# Altium PCB AirScout_PCBV1.1.PcbDoc (part 1 of 2)
Units mm, origin at the board's own origin, x right, y up, seen from the top; angles counter-clockwise.
Board outline 91.25 x 151 mm, 4 copper layers (Top Layer, Signal Layer 1, Signal Layer 2, Bottom Layer), stack 0.603 mm thick; 56 components, 39 nets, 237 pads, 463 vias.
Unrouted connection lines stored in the file: 26.
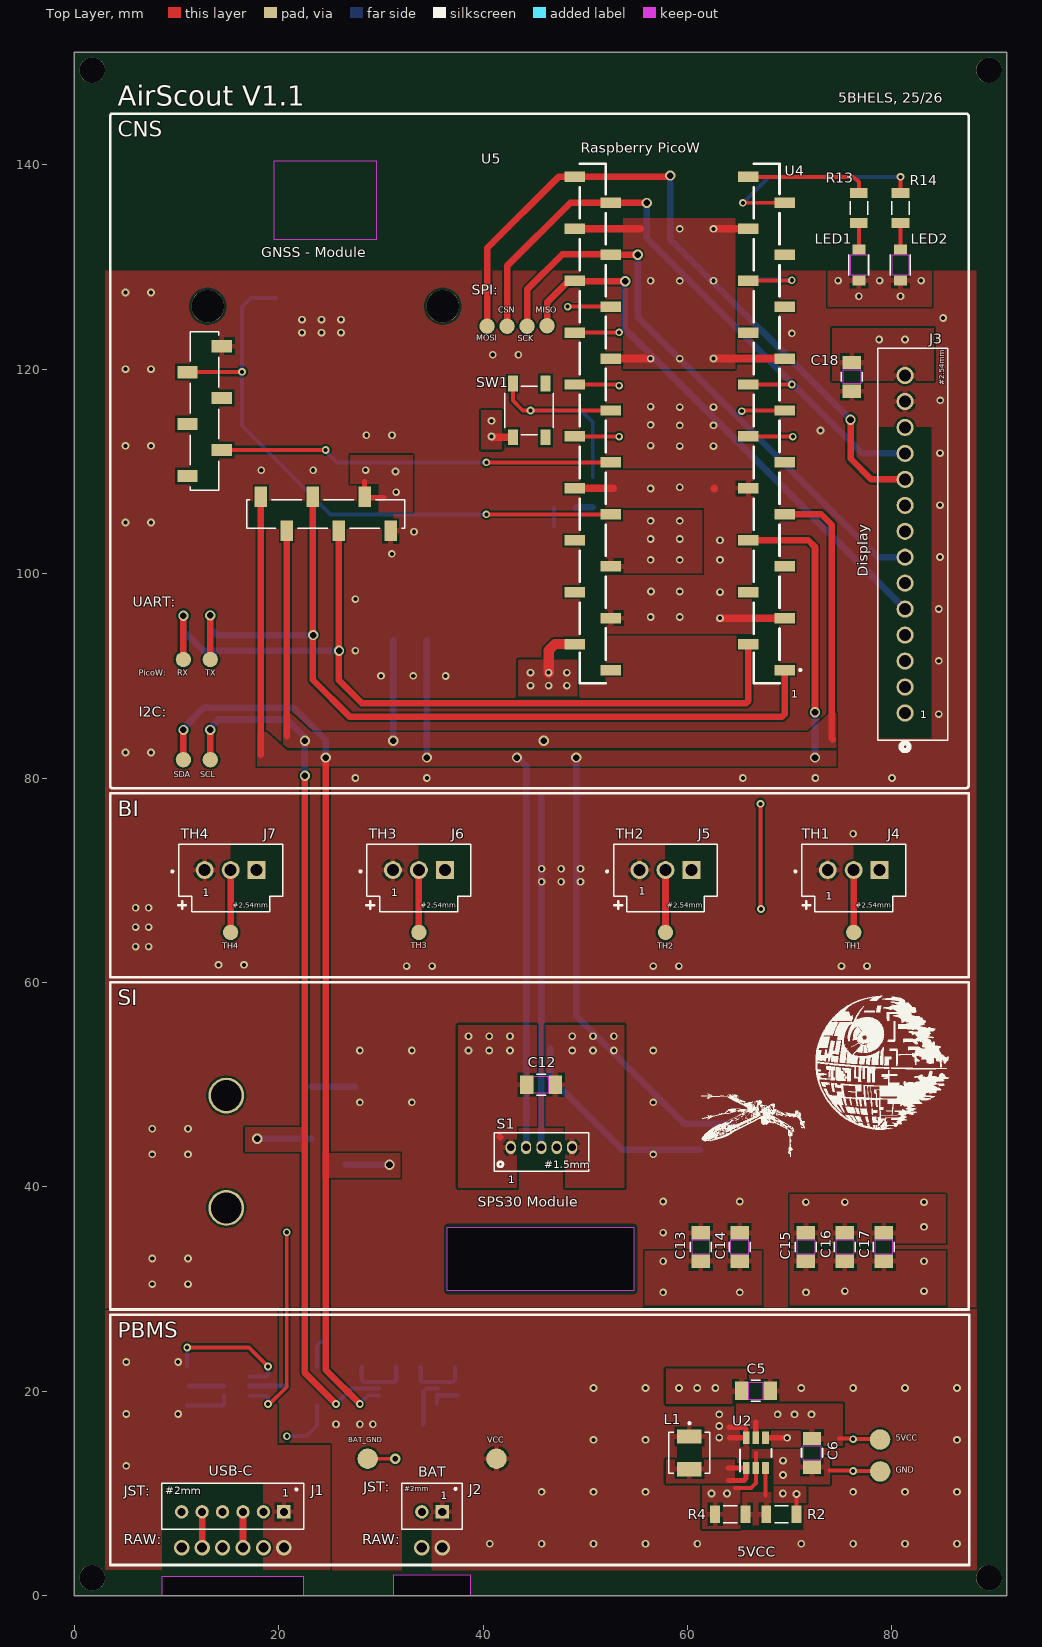
[diagram p0: Top Layer view]
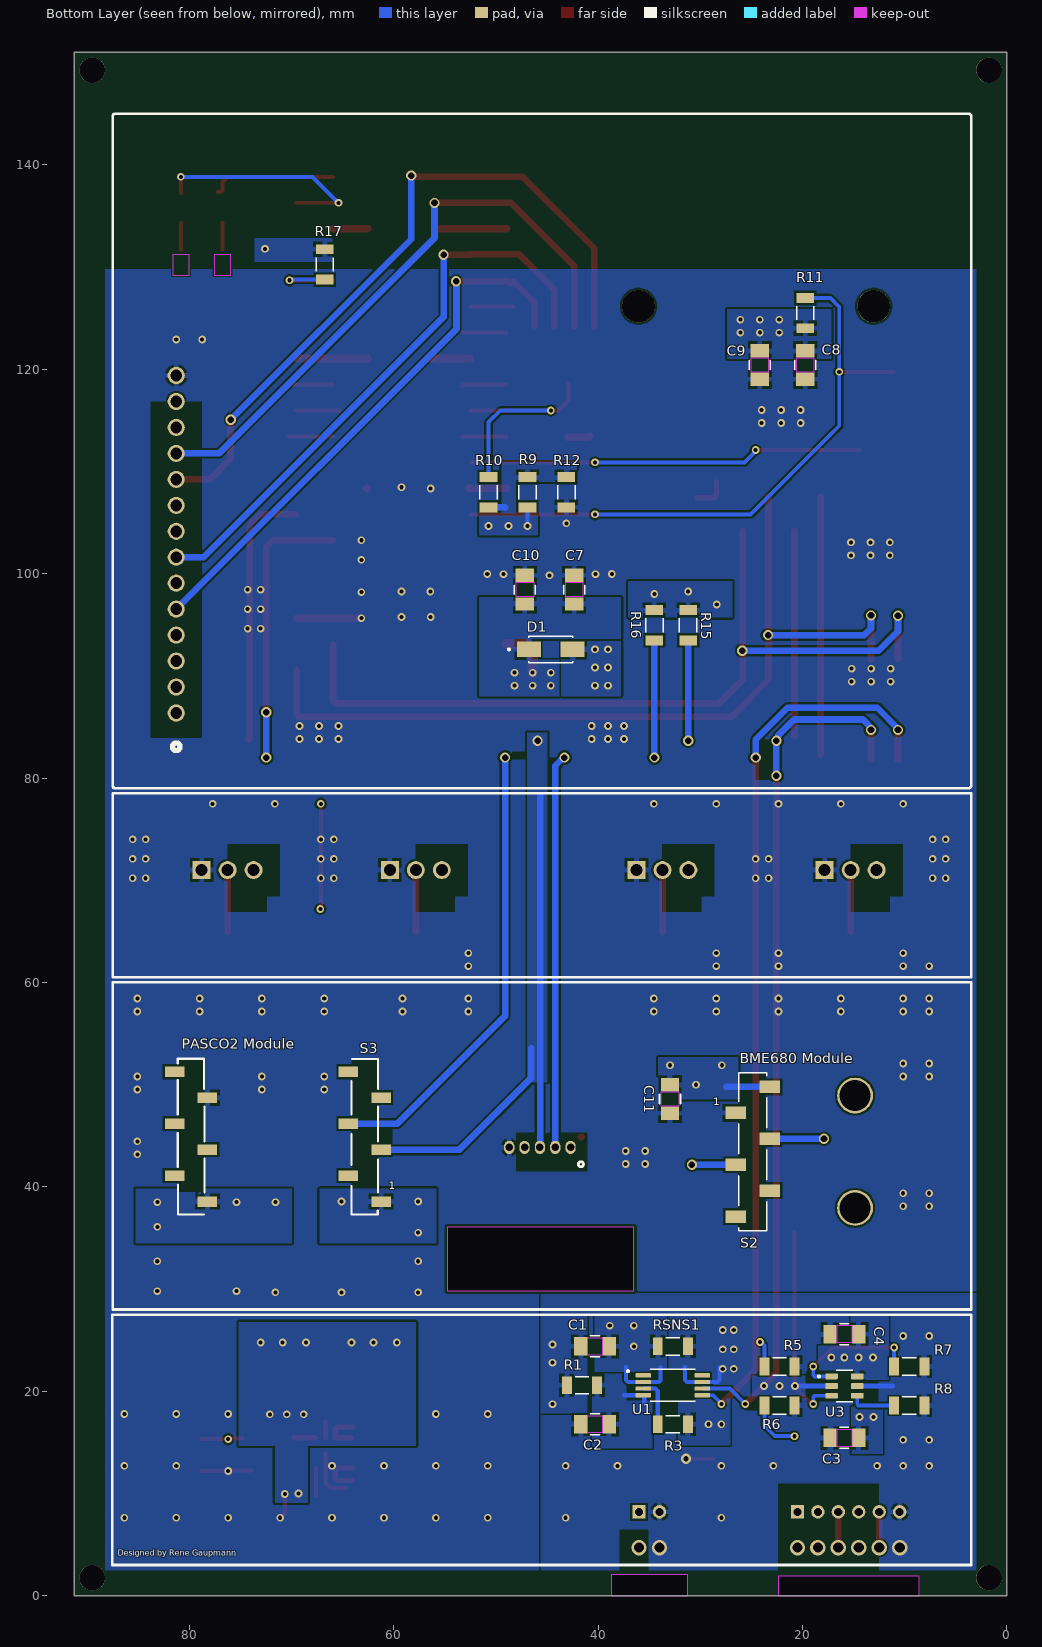
[diagram p1: Bottom Layer view, seen from below]
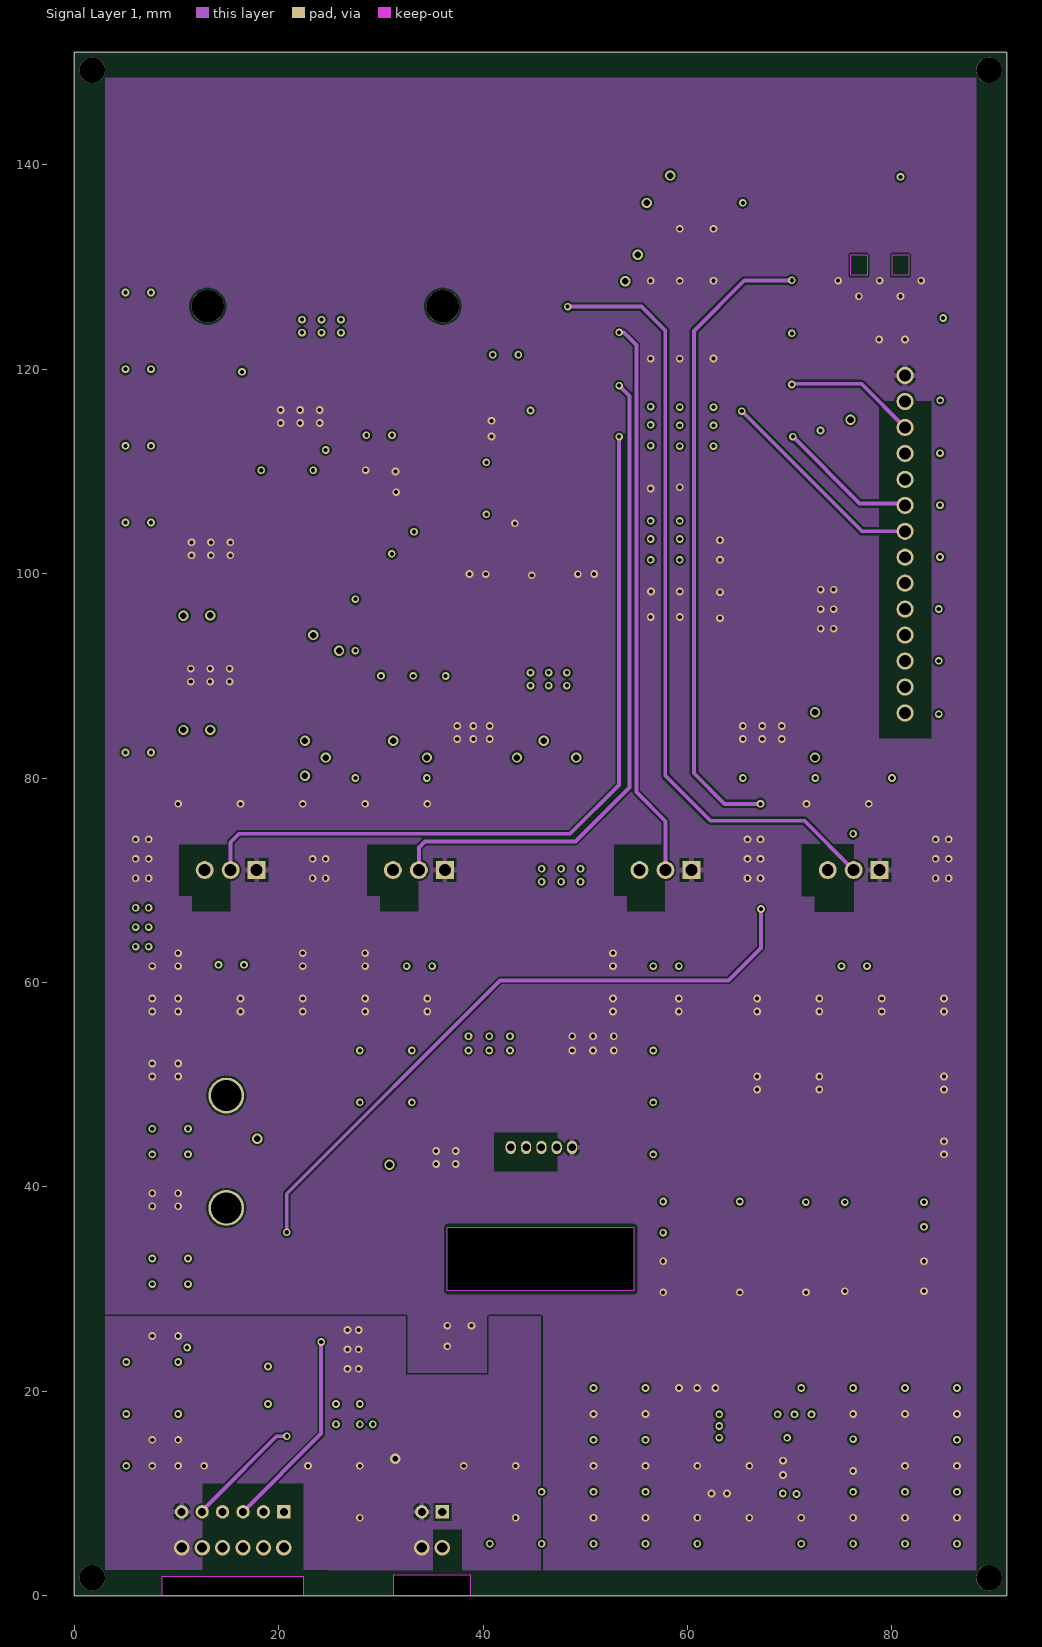
[diagram p2: Signal Layer 1]
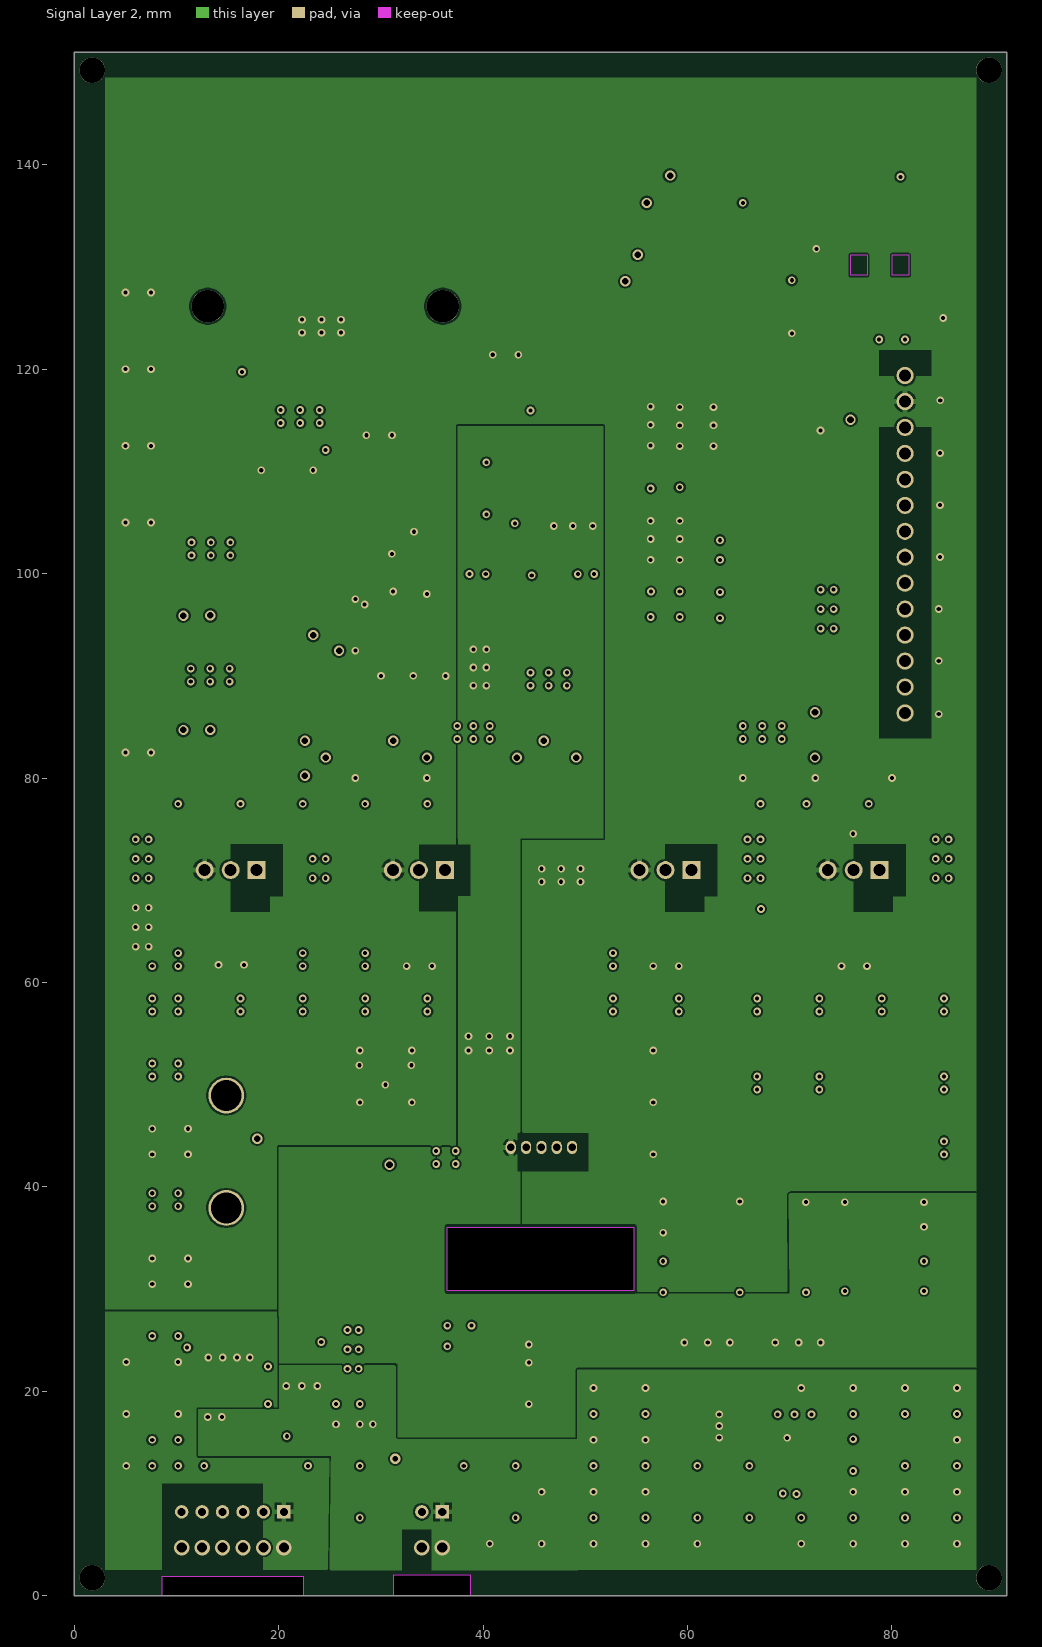
[diagram p3: Signal Layer 2]

## Layer stack, top to bottom
Top Solder: solder mask 0.0102, Solder Resist, Dk 3.5
Top Layer: signal copper 0.0356
Dielectric 2: prepreg 0.0711, PP-006, Dk 4.1
Signal Layer 1: signal copper 0.035
Dielectric 1: dielectric 0.32, FR-4, Dk 4.8
Signal Layer 2: signal copper 0.035
Dielectric 3: prepreg 0.0711, PP-006, Dk 4.1
Bottom Layer: signal copper 0.0356
Bottom Solder: solder mask 0.0102, Solder Resist, Dk 3.5

## Board outline
0,0 0,145 0,151 91.25,151 91.25,150.988 91.25,0
cut-out: 8.6,0 8.6,1.9 22.4,1.9 22.4,0
cut-out: 31.242,0 31.242,2.032 38.714,2.032 38.714,0
cut-out: 36.5,36.062 54.75,36.062 54.75,29.813 36.5,29.813

## Design rules (kind name [scope] priority, off if disabled: settings)
BoardOutlineClearance [All] p1: gap=0.3 ignorepadtopadclearanceinfootprint=FALSE except(0.4: Arc-SplitBarrior Arc-SplitContinuation Track-SplitBarrior Track-SplitContinuation SMDPad-SplitBarrior SMDPad-SplitContinuation THPad-SplitBarrior THPad-SplitContinuation Via-SplitBarrior Via-SplitContinuation Fill-SplitBarrior Fill-SplitContinuation Poly-SplitBarrior Poly-SplitContinuation Region-SplitBarrior Region-SplitContinuation Text-SplitBarrior Text-SplitContinuation)
Clearance "Clearance Different Nets" [All] p1: gap=0.2 ignorepadtopadclearanceinfootprint=FALSE except(0.089: Arc-Arc Arc-Track Arc-SMDPad Track-Track Track-SMDPad; 0.127: SMDPad-SMDPad SMDPad-Via THPad-Via Via-Via; 0.254: Arc-Via Arc-Text Track-Via Track-Text SMDPad-Text THPad-Text Via-Text Fill-Text Poly-Text Region-Text Text-Text; 0.5: THPad-THPad Via-Hole)
Clearance "Clearance Same Nets" [All] p2: gap=0.2 ignorepadtopadclearanceinfootprint=FALSE except(0.089: Arc-Arc Arc-Track Arc-SMDPad Track-Track Track-SMDPad SMDPad-SMDPad; 0.127: SMDPad-Via THPad-Via; 0.254: Arc-Via Arc-Text Track-Via Track-Text SMDPad-Text THPad-Text Via-Via Via-Text Fill-Text Poly-Text Region-Text Text-Text)
Clearance "Clearance Bottom Layer" [OnLayer('Bottom Layer')] p3: gap=0.203 ignorepadtopadclearanceinfootprint=TRUE except(0.254: Arc-Text Track-Text SMDPad-Text THPad-Text Via-Text Fill-Text Poly-Text Region-Text Text-Text)
Clearance "Clearance Top Layer" [OnLayer('Top Layer')] p4: gap=0.203 ignorepadtopadclearanceinfootprint=TRUE except(0.254: Arc-Text Track-Text SMDPad-Text THPad-Text Via-Text Fill-Text Poly-Text Region-Text Text-Text)
HoleSize [All] p1: absolutevalues=TRUE maxlimit=6.3 minlimit=0.2 maxpercent=80.000 minpercent=20.000
MinimumAnnularRing [All] p1: minimumring=0.13
MinimumSolderMaskSliver [All] p1: minsoldermaskwidth=0.1
PolygonConnect PolygonConnect_1 [All] p1: thpad.connectstyle=Relief thpad.reliefconductorwidth=0.508 thpad.reliefentries=4 thpad.polygonreliefangle="90 Angle" thpad.airgapwidth=0.254 smdpad.connectstyle=Relief smdpad.reliefconductorwidth=0.508 smdpad.reliefentries=4 smdpad.polygonreliefangle="90 Angle" smdpad.airgapwidth=0.254 via.connectstyle=Direct via.reliefconductorwidth=0.508 via.reliefentries=4 via.polygonreliefangle="90 Angle" via.airgapwidth=0.254
RoutingCorners [All] p1: cornerstyle=Round minsetback=2.54 maxsetback=2.54
RoutingVias [All] p1: holewidth=0.5 width=1 viastyle="Through Hole" minholewidth=0.2 minwidth=0.35 maxholewidth=1 maxwidth=2
SilkToSilkClearance [All] p1: silktosilkclearance=0.1
SilkToSolderMaskClearance [IsPad] p1: minsilkscreentomaskgap=0.1 clearancetoexposedcopper=TRUE
SolderMaskExpansion [All] p1: expansion=0.102 istentingtop=FALSE
SupplyNets "Schematic Supply Nets_31" [InNet('FB')] p1: voltage=0.000
SupplyNets "Schematic Supply Nets_30" [InNet('CC1')] p2: voltage=0.000
SupplyNets "Schematic Supply Nets_29" [InNet('TCH2')] p3: voltage=0.000
SupplyNets "Schematic Supply Nets_28" [InNet('CHG')] p4: voltage=0.000
SupplyNets "Schematic Supply Nets_27" [InNet('3V3')] p5: voltage=0.000
SupplyNets "Schematic Supply Nets_26" [InNet('LED')] p6: voltage=0.000
SupplyNets "Schematic Supply Nets_25" [InNet('EXTIN')] p7: voltage=0.000
SupplyNets "Schematic Supply Nets_24" [InNet('5VCC_FUEL G.')] p8: voltage=0.000
SupplyNets "Schematic Supply Nets_23" [InNet('SPI/MOSI')] p9: voltage=0.000
SupplyNets "Schematic Supply Nets_22" [InNet('UART/TX')] p10: voltage=0.000
SupplyNets "Schematic Supply Nets_21" [InNet('BAT_GND')] p11: voltage=0.000
SupplyNets "Schematic Supply Nets_20" [InNet('RESET')] p12: voltage=0.000
SupplyNets "Schematic Supply Nets_19" [InNet('TCH3')] p13: voltage=0.000
SupplyNets "Schematic Supply Nets_18" [InNet('3V3EN')] p14: voltage=0.000
SupplyNets "Schematic Supply Nets_17" [InNet('TCH4')] p15: voltage=0.000
SupplyNets "Schematic Supply Nets_16" [InNet('VIN')] p16: voltage=0.000
SupplyNets "Schematic Supply Nets_15" [InNet('RST')] p17: voltage=0.000
SupplyNets "Schematic Supply Nets_14" [InNet('I2C/SCL')] p18: voltage=0.000
SupplyNets "Schematic Supply Nets_13" [InNet('SPI/MISO')] p19: voltage=0.000
SupplyNets "Schematic Supply Nets_12" [InNet('SPI/CSn')] p20: voltage=0.000
SupplyNets "Schematic Supply Nets_11" [InNet('DC')] p21: voltage=0.000
SupplyNets "Schematic Supply Nets_9" [InNet('SPI/SCK')] p22: voltage=0.000
SupplyNets "Schematic Supply Nets_8" [InNet('VCC')] p23: voltage=0.000
SupplyNets "Schematic Supply Nets_7" [InNet('UART/RX')] p24: voltage=0.000
SupplyNets "Schematic Supply Nets_6" [InNet('TCH1')] p25: voltage=0.000
SupplyNets "Schematic Supply Nets_5" [InNet('5VCC')] p26: voltage=0.000
SupplyNets "Schematic Supply Nets_4" [InNet('GND')] p27: voltage=0.000
SupplyNets "Schematic Supply Nets_3" [InNet('VSYS')] p28: voltage=0.000
SupplyNets "Schematic Supply Nets_2" [InNet('VBUS')] p29: voltage=0.000
SupplyNets "Schematic Supply Nets_1" [InNet('I2C/SDA')] p30: voltage=0.000
SupplyNets "Schematic Supply Nets" [InNet('CC2')] p31: voltage=0.000
Width [All] p1: maxlimit=2.54 minlimit=0.089 preferedwidth=0.381
25 further rules are at their usual default settings.

## Components (designator, comment, footprint, x,y, rotation, side; value= is the part's Value field where it differs from the comment)
C1 "CL31B475KBHNFNE" CAPC340180_140N_KEM 40.312,24.392 r180 bottom value=4.7uF
C2 "C1206C104K5RACTU" CAPC340180_140N_KEM 40.312,16.772 r0 bottom value=0.1uF
C3 "C1206C105K3RACTU" CAPC340180_140N_KEM 15.907,15.431 r0 bottom value=1uF
C4 "C1206C105K3RACTU" CAPC340180_140N_KEM 15.907,25.591 r0 bottom value=1uF
C5 "CL31B225KBHNNNE" CAPC340180_140N_KEM 66.675,20.03 r0 top value=2.2uF
C6 "CL31B475KBHNFNE" CAPC340180_140N_KEM 72.175,13.97 r90 top value=4.7uF
C7 "CL31B106KAHNNNE" CAPC340180_140N_KEM 42.344,98.433 r90 bottom value=10uF
C8 "CL31B106KAHNNNE" CAPC340180_140N_KEM 19.738,120.404 r270 bottom value=10uF
C9 "CL31B106KAHNNNE" CAPC340180_140N_KEM 24.183,120.404 r270 bottom value=10uF
C10 "C1206C104K5RACTU" CAPC340180_140N_KEM 47.17,98.433 r90 bottom value=0.1uF
C11 "CL31B106KAHNNNE" CAPC340180_140N_KEM 32.972,48.593 r270 bottom value=10uF
C12 "CL31B106KAHNNNE" CAPC340180_140N_KEM 45.672,49.99 r0 top value=10uF
C13 "CL31B106KAHNNNE" CAPC340180_140N_KEM 61.285,34.115 r270 top value=10uF
C14 "C1206C104K5RACTU" CAPC340180_140N_KEM 65.095,34.115 r270 top value=0.1uF
C15 "CL31B106KAHNNNE" CAPC340180_140N_KEM 71.58,34.115 r270 top value=47uF
C16 "CL31B106KAHNNNE" CAPC340180_140N_KEM 75.39,34.115 r270 top value=10uF
C17 "C1206C104K5RACTU" CAPC340180_140N_KEM 79.2,34.115 r270 top value=0.1uF
C18 "CL31B475KBHNFNE" CAPC340180_140N_KEM 76.073,119.253 r90 top value=4.7uF
D1 "B240A-13-F" DIOM5226X230N 44.63,92.591 r180 bottom
J1 "B6B-PH-K-S" JST_B6B-PH-K-S 15.5,8.75 r0 top
J2 "B02B-PASK-1" JST_B2B-PH-K-S 35,8.75 r0 top
J3 "0705430013" CONN_SDA-70543-XXXX_14_MOL 81.28,86.36 r270 top
J4 "0705430002" MOLEX_70543-0037 76.253,70.993 r180 top locked
J5 "0705430002" MOLEX_70543-0037 57.838,70.993 r180 top
J6 "0705430002" MOLEX_70543-0037 33.708,70.993 r180 top
J7 "0705430002" MOLEX_70543-0037 15.293,70.993 r180 top
L1 "FDSD0420-H-100M=P3" IND_FDSD0420-H-100M=P3 60.175,13.97 r270 top value=10uH
LED1 "LTST-C150GKT" LED_LTST-C150GKT_LTO 76.761,130.183 r270 top
LED2 "LTST-C150KRKT" LED_LTST-C150GKT_LTO 80.825,130.183 r270 top
R1 "CRGCQ1206F470R" RESC3116X65N 41.582,20.582 r180 bottom value=470
R2 "RC1206FR-0710KL" RESC3116X65N 69.175,7.97 r0 top value=10k
R3 "RNCP1206FTD1K00" RESC3116X65N 32.692,16.772 r180 bottom value=1k
R4 "RMCF1206JT56K0" RESC3116X65N 64.175,7.97 r0 top value=56k
R5 "RMCF1206JT5K10" RESC3116X65N 22.257,22.416 r0 bottom value=5k1
R6 "RMCF1206JT5K10" RESC3116X65N 22.257,18.606 r0 bottom value=5k1
R7 "RC1206FR-0710KL" RESC3116X65N 9.557,22.416 r0 bottom value=10k
R8 "RC1206FR-0710KL" RESC3116X65N 9.557,18.606 r0 bottom value=1k
R9 "RC1206JR-075K6L" RESC3116X65N 46.916,107.958 r270 bottom value=5k6
R10 "RC1206FR-0710KL" RESC3116X65N 50.726,107.958 r270 bottom value=10k
R11 "RC1206FR-0710KL" RESC3116X65N 19.738,125.484 r270 bottom value=10k
R12 "RC1206FR-0710KL" RESC3116X65N 43.106,107.958 r90 bottom value=10k
R13 "RMCF1206JT330R" RESC3116X65N 76.761,135.771 r90 top value=330
R14 "RMCF1206JT330R" RESC3116X65N 80.825,135.771 r90 top value=330
R15 "RC1206FR-0710KL" RESC3116X65N 31.194,94.948 r90 bottom value=10k
R16 "RC1206FR-0710KL" RESC3116X65N 34.496,94.948 r270 bottom value=10k
R17 "RC1206FR-0710KL" RESC3116X65N 66.754,130.254 r270 bottom value=10k
RSNS1 "WSL1206R0150FEA" RESC3116X65N 32.692,24.392 r180 bottom value=0R015
S1 "B5B-ZR" CONN5_B5B-ZR_JST 42.7,43.856 r180 top
S2 "EVAL BOARD BME680 SENSOR" PIM357 26.367,51.434 r270 bottom
S3 "SSM-106-F-SV" IFX-SMD-LG-MLGA-14-1-V_MODUL 59.333,54.06 r0 bottom
SW1 "Y97KT23B2NAFP" SW_PTS647SM38SMTR2LFS_CNK 44.503,115.959 r90 top
U1 "DS2782E+" SOP65P640X110-8N 32.692,20.582 r180 bottom
U2 "TLV61046ADBVR" DBV0006A_M 66.675,13.97 r90 top
U3 "BQ21040DBVR" SOT95P280X145-6N 15.907,20.511 r180 bottom
U4 "SSM-120-L-SV-BE-K-TR" "PicoW SC019" 59.226,114.819 r180 top
U5 "SSM-106-F-SV" CAM8MQ-Mod 10.548,140.652 r270 top

## Footprints (in the part's own frame and the unit in brackets; to place one, negate y for a bottom-side part, rotate by r counter-clockwise, add the part's x,y. Pads: shape width x height; smd on the part's side, far side on the other; paste and mask are expansions set on the pad)
CAM8MQ-Mod [mm] "For SMD Soldering"
  rect 1.2x2 smd paste+0 mask+0.025: 1(18.4,3.876) 2(20.94,0.524) 3(23.48,3.876) 4(26.02,0.524) 5(28.56,3.876) 6(31.1,0.524)
  rect 2x1.2 smd paste+0 mask+0.025: 7(36.476,20.4) 8(33.124,17.86) 9(36.476,15.32) 10(33.124,12.78) 11(36.476,10.24) 12(33.124,7.7)
  round 3.2 hole 3.2 unplated: MH1(14.5,25.5) MH3(14.5,2.5)
  Top Layer keep-out region: 0.25,19 8,19 8,9 0.25,9
  silkscreen extent 17,0.8 36.2,21.8, body extent 17.13,-0.09 37.09,21.67, height 7.49
CAPC340180_140N_KEM [mm] "Caseform: 1206 Imperial; for Caps"
  rect 1.306x1.8 smd paste+0 mask+0: 1(-1.403,0) 2(1.403,0)
  Top Layer keep-out region: -0.699,-0.849 -0.699,0.849 0.699,0.849 0.699,-0.849
  silkscreen extent -0.44,-1.03 0.44,1.03, body extent -1.7,-0.9 1.7,0.9, height 1.4
CONN5_B5B-ZR_JST [mm]
  oval 1x1.3 hole 0.737 paste-2539.97: 1(0,0) 2(-1.5,0) 3(-3,0) 4(-4.5,0) 5(-6,0)
  silkscreen extent -7.62,-1.43 1.62,2.33, body extent -7.5,-1.24 1.5,2.26, height 4.5
CONN_SDA-70543-XXXX_14_MOL [mil]
  round 66 hole 46: 1(0,0) 2(-100,0) 3(-200,0) 4(-300,0) 5(-400,0) 6(-500,0) 7(-600,0) 8(-700,0) 9(-800,0) 10(-900,0) 11(-1000,0) 12(-1100,0) 13(-1200,0) 14(-1300,0)
  silkscreen extent -1405,-105 145,165, body extent -1400,-100 100,160, height 450
DBV0006A_M [mm]
  rect 1.2x0.65 smd paste+0 mask+0.051: 1(-1.475,0.95) 2(-1.475,0) 3(-1.475,-0.95) 4(1.475,-0.95) 5(1.475,0) 6(1.475,0.95)
  silkscreen extent -1.83,-1.55 0.38,1.55, body extent -1.4,-1.45 1.4,1.45, height 1.2
DIOM5226X230N [mm]
  rect 2.33x1.55 smd: A(2.135,0) K(-2.135,0)
  silkscreen extent -4.2,-1.3 2.15,1.3, body extent -2.6,-1.3 2.6,1.3, height 2.4
IFX-SMD-LG-MLGA-14-1-V_MODUL [mm] "Module, 2.54 mm Pitch, 14 Pin, 14.00 mm W X 13.80 mm L X 7.68 mm H Body"
  rect 1.905x1.02 smd: 1(1.898,15.5) 2(5.103,12.96) 3(1.898,10.42) 4(5.103,7.88) 5(1.898,5.34) 6(18.897,5.34) 7(22.102,7.88) 8(18.897,10.42) 9(22.102,12.96) 10(18.897,15.5) 11(5.103,2.8) 12(22.102,2.8)
  silkscreen extent 2.2,1.53 21.8,16.77, body extent 1.28,1.53 22.85,16.77, height 15.3
IND_FDSD0420-H-100M=P3 [mm]
  rect 1.4x2.4 smd: 1(-1.6,0) 2(1.6,0)
  silkscreen extent -3,-2 2,2, body extent -2,-2 2,2, height 2
JST_B2B-PH-K-S [mm]
  rect 1.308x1.308 hole 0.8: 1(1,-0.55)
  round 1.308 hole 0.8: 2(-1,-0.55)
  silkscreen extent -2.95,-2.25 2.95,2.25, body extent -2.95,-2.25 2.95,2.25, height 6
JST_B6B-PH-K-S [mm]
  rect 1.308x1.308 hole 0.8: 1(5,-0.55)
  round 1.308 hole 0.8: 2(3,-0.55) 3(1,-0.55) 4(-1,-0.55) 5(-3,-0.55) 6(-5,-0.55)
  silkscreen extent -6.95,-2.25 6.95,2.25, body extent -6.95,-2.25 6.95,2.25, height 6
LED_LTST-C150GKT_LTO [mil]
  rect 38x51 smd paste+0 mask+0: 1(-60,0) 2(60,0)
  Top Layer keep-out region: -39,-31.5 -39,31.5 39,31.5 39,-31.5
  Keep-Out Layer region: -39,-31.5 -39,31.5 39,31.5 39,-31.5
  silkscreen extent -39,-39 39,39, body extent -65,-34 65,34, height 47
MOLEX_70543-0037 [mm]
  round 1.755 hole 1.17: 1(2.54,0) 2(0,0)
  rect 1.755x1.755 hole 1.17: 3(-2.54,0)
  silkscreen extent -5.09,-2.54 5.81,4.06, body extent -5.08,-2.54 5.08,4.06, height 11.81
"PicoW SC019" [mm] "For Description look into Schematics"
  rect 2x1.02 smd: 1(-10.278,24.26) 2(-6.722,21.72) 3(-10.278,19.18) 4(-6.722,16.64) 5(-10.278,14.1) 6(-6.722,11.56) 7(-10.278,9.02) 8(-6.722,6.48) 9(-10.278,3.94) 10(-6.722,1.4) 11(-10.278,-1.14) 12(-6.722,-3.68) 13(-10.278,-6.22) 14(-6.722,-8.76) 15(-10.278,-11.3) 16(-6.722,-13.84) 17(-10.278,-16.38) 18(-6.722,-18.92) 19(-10.278,-21.46) 20(-6.722,-24) 21(10.278,-24) 22(6.722,-21.46) 23(10.278,-18.92) 24(6.722,-16.38) 25(10.278,-13.84) 26(6.722,-11.3) 27(10.278,-8.76) 28(6.722,-6.22) 29(10.278,-3.68) 30(6.722,-1.14) 31(10.278,1.4) 32(6.722,3.94) 33(10.278,6.48) 34(6.722,9.02) 35(10.278,11.56) 36(6.722,14.1) 37(10.278,16.64) 38(6.722,19.18) 39(10.278,21.72) 40(6.722,24.26)
  silkscreen extent -11.9,-25.27 9.77,25.53, body extent -10.91,-25.5 10.66,26.8, height 11.23
PIM357 [mm] "With BME680 Sensor"
  rect 1.2x2 smd paste+0 mask+0.025: 1(1.65,3.176) 2(4.19,-0.176) 3(6.73,3.176) 4(9.27,-0.176) 5(11.81,3.176) 6(14.35,-0.176)
  round 3.5 hole 3 unplated: MH1(2.5,11.5) MH2(13.5,11.5)
  silkscreen extent 0.25,0.1 15.75,2.87, body extent 0.38,-0.79 15.62,3.51, height 7.49
RESC3116X65N [mm] "Caseform: 1206 Imperial"
  rect 0.97x1.73 smd: 1(-1.48,0) 2(1.48,0)
  silkscreen extent -0.67,-0.85 0.67,0.85, body extent -1.55,-0.8 1.55,0.8, height 0.65
SOP65P640X110-8N [mm]
  rrect25% 1.5x0.41 smd mask+0.065: 1(-2.885,0.975) 2(-2.885,0.325) 3(-2.885,-0.325) 4(-2.885,-0.975) 5(2.885,-0.975) 6(2.885,-0.325) 7(2.885,0.325) 8(2.885,0.975)
  silkscreen extent -4.48,-1.55 2.2,1.55, body extent -3.2,-1.5 3.2,1.5, height 1
SOT95P280X145-6N [mm]
  rrect25% 1.21x0.58 smd: 1(-1.255,0.95) 2(-1.255,0) 3(-1.255,-0.95) 4(1.255,-0.95) 5(1.255,0) 6(1.255,0.95)
  silkscreen extent -2.6,-1.56 0.8,1.56, body extent -1.4,-1.45 1.4,1.45, height 1.45
SW_PTS647SM38SMTR2LFS_CNK [mm]
  rect 1.549x0.991 smd paste+0 mask+0: 1(-2.625,1.6) 2(2.625,1.6) 3(-2.625,-1.6) 4(2.625,-1.6)
  silkscreen extent -2.37,-2.37 2.37,2.37, body extent -3.05,-2.25 3.05,2.25, height 3.81

## Part data
C1 C6 C18: library part CAP, "CAP CER 4.7UF 50V X7R 1206"
C2 C10 C14 C17: library part CAP, "CAP CER 0.1UF 50V X7R 1206"
C3 C4: library part CAP, "CAP CER 1UF 25V X7R 1206"
C5: library part CAP, "CAP CER 2.2UF 50V X7R 1206"
C7 C8 C9 C11 C12 C13 C15 C16: library part CAP, "CAP CER 10UF 25V X7R 1206"
D1: library part Diode-Schottky, "DIODE SCHOTTKY 40V 2A SMA"
J1: library part CON6x1, "CONN HEADER VERT 6POS 2MM"
J2: library part CON2x1_vertical, "CONN HEADER VERT 2POS 2MM"
J3: library part CON7x2, "CONN HEADER VERT 14POS 2.54MM"
J4 J5 J6 J7: library part "CON 3x1", "CONN HEADER VERT 3POS 2.54MM"
L1: library part Inductor, "FIXED IND 10UH 1.7A 200 MOHM SMD"
LED1: library part LED, "LED GREEN CLEAR 1206 SMD"
LED2: library part LED, "LED RED CLEAR 1206 SMD"
R1: library part RES, "RES 470 OHM 1% 1/4W 1206"
R2 R7 R8 R10 R11 R12 R15 R16 R17: library part RES, "RES 10K OHM 1% 1/4W 1206"
R3: library part RES, "RES 1K OHM 1% 1/2W 1206"
R4: library part RES, "RES 56K OHM 5% 1/4W 1206"
R5 R6: library part RES, "RES 5.1K OHM 5% 1/4W 1206"
R9: library part RES, "RES 5.6K OHM 5% 1/4W 1206"
R13 R14: library part RES, "RES 330 OHM 5% 1/4W 1206"
RSNS1: library part RES, "RES 0.015 OHM 1% 1/4W 1206"
S1: library part "SPS30 Module", "Plug: CONN HEADER VERT 5POS 1.5MM; Air Sensor Dust Sensor Box SPS30 Module: 1649-1106-ND", ComponentLink1Description=Datasheet, ComponentLink1URL=https://sensirion.com/media/documents/8600FF88/64A3B8D6/Sensirion_PM_Sensors_Datasheet_SPS30.pdf, ComponentLink2Description="EU Component", ComponentLink2URL=https://www.digikey.at/en/products/detail/sensirion-ag/SPS30/9598990?gclsrc=aw.ds&gad_source=1&gad_campaignid=9415055229&gbraid=0AAAAADrbLlghU28cdFM9RQIiS448Os4NQ&gclid=Cj0KCQjwzt_FBhCEARIsAJGFWVladtv1vxGMu0RXHFTM9ng6qsDvV838Q-BR2Fl5FYFzWahIkC0y_aYaAqE3EALw_wcB
S2: library part "BME680 Module", "BME680 - Gas, Feuchtigkeit, Druck, Temperatur Evaluierungsboards - Sensoren", ComponentLink1Description=Datasheet, ComponentLink1URL=chrome-extension://efaidnbmnnnibpcajpcglclefindmkaj/https://mm.digikey.com/Volume0/opasdata/d220001/medias/docus/854/PIM357_Web.pdf
S3: library part "PASCO2V15 Module", "(2x) CONN RCPT 6POS 0.1 GOLD SMD; Sensor: EVALCO25VMINIBOARDTOBO1; EVAL BOARD", Alternate View=No, ComponentLink1Description=Datasheet, ComponentLink1URL=chrome-extension://efaidnbmnnnibpcajpcglclefindmkaj/https://www.infineon.com/assets/row/public/documents/24/49/infineon-pasco2v01-datasheet-en.pdf?fileId=8ac78c8c80027ecd01809278f1af1ba2, Multiple Parts=No, Symbol Type="XENSIV PAS CO2 1.5"
SW1: library part Switch, "SWITCH TACTILE SPST-NO 0.05A 12V"
U1: "UVP (Undervoltageprotection), Battery Battery Monitor IC Lithium Ion/Polymer 8-TSSOP", Package=None, Availability=Unavailable, MP=DS2782E+, Price=None
U2: "28-V Output Voltage Boost Converter with Power Diode and Isolation Switch 6-SOT-23 -40 to 125", Manufacturer_Name="Texas Instruments", Copyright="Copyright (C) 2025 Ultra Librarian. All rights reserved.", Manufacturer_Part_Number=TLV61046ADBVR, RefDes=RefDes, Type=TYPE
U3: "OVP (Over-Voltage-Protection), SCP (Short-Circuit- Protection), OTP (Over - Temp. - Prot.); 1-cell, 0.8-A Li-ion and Li-polymer battery charger", Package="SOT-23-6 Texas Instruments", Check_prices=https://www.snapeda.com/parts/BQ21040DBVR/Texas+Instruments/view-part/?ref=eda, MF="Texas Instruments", MP=BQ21040DBVR, SnapEDA_Link=https://www.snapeda.com/parts/BQ21040DBVR/Texas+Instruments/view-part/?ref=snap
U4: library part "Raspberry PicoW SC019 Module", "(2x) CONN RCPT 20POS 0.1 GOLD SMD; PicoW: SC0918; RASPBERRY PI PICO W RP2040", ComponentLink1Description="EU Component", ComponentLink1URL=https://www.reichelt.at/at/de/shop/produkt/raspberry_pi_pico_rp2040_cortex-m0_microusb-295706, ComponentLink2Description=Datasheet, ComponentLink2URL=chrome-extension://efaidnbmnnnibpcajpcglclefindmkaj/https://datasheets.raspberrypi.com/picow/pico-w-datasheet.pdf
U5: library part "CAM-M8Q Module", "(2x) CONN RCPT 6POS 0.1 GOLD SMD; GPS - Module:  201880; CAM-M8Q-BREAKOUT MULTI GNSS MODU", ComponentLink1Description="Datasheet IC", ComponentLink1URL=chrome-extension://efaidnbmnnnibpcajpcglclefindmkaj/https://content.u-blox.com/sites/default/files/CAM-M8-FW3_DataSheet_%28UBX-15031574%29.pdf

## Free pads (board coordinates)
  round 2.5 hole 2.5 unplated: M1(1.75,149.25) M2(89.5,149.25) M3(1.75,1.75) M4(89.5,1.75)
  round 1.5 smd: M1(10.668,81.788) M1(10.668,91.594) M1(13.303,81.788) M1(13.303,91.594) M1(15.293,64.897) M1(33.708,64.897) M1(40.386,124.206) M1(42.342,124.206) M1(44.298,124.206) M1(46.254,124.254) M1(57.838,64.897) M1(76.253,64.897)
  round 2 smd: M1(28.7,13.4) M1(41.3,13.4) M1(78.832,15.275) M1(78.843,12.157)

## Via types
v1: diameter 0.75, hole 0.4, Signal Layer 1 to Bottom Layer, 166 vias
v2: diameter 0.75, hole 0.4, Top Layer to Signal Layer 2, 129 vias
v3: diameter 0.75, hole 0.4, Top Layer to Bottom Layer, 63 vias
v4: diameter 0.75, hole 0.4, Top Layer to Signal Layer 1, 39 vias
v5: diameter 0.75, hole 0.4, Signal Layer 2 to Bottom Layer, 34 vias
v6: diameter 1, hole 0.65, Top Layer to Bottom Layer, 23 vias
v7: diameter 1.5, hole 1, Top Layer to Bottom Layer, 7 vias
v8: diameter 1.5, hole 1, Top Layer to Bottom Layer, tented both sides, 1 vias
v9: diameter 1, hole 0.5, Top Layer to Bottom Layer, 1 vias

## Nets (pads, with @x,y where several pads share a name; then routed paths per layer and width w, separated by ;. In a path a pad name is that pad's centre, name@x,y a point inside that pad or via, vN(x,y) a via of type N, cw(c..) or ccw(c..) an arc to the next point about the centre after c; other vN are vias at no path point)
3V3: C8.1 C9.1 C11.1 C13.1 C14.1 C18.1 J3.13 J4.1 J5.1 J6.1 J7.1 R11.2 R15.2 R16.1 R17.1 S2.1 S3.1 U4.36 U5.1 U5.7 | length 4.3
  Bottom Layer w0.65: S2.1@23.19,49.784 27.458,49.784
  other v2: 7.62,30.48 11.12,30.48 7.62,32.98 11.12,32.98 7.62,43.18 11.12,43.18 56.642,43.18 7.62,45.68 11.12,45.68 27.94,48.26 33.02,48.26 56.642,48.26 27.94,53.34 33.02,53.34 56.642,53.34 32.512,61.595 35.012,61.595 56.642,61.595 59.142,61.595 75.057,61.595 77.557,61.595 14.097,61.722 16.597,61.722 6,63.5 7.27,63.5 6,65.405 7.27,65.405 6,67.31 7.27,67.31 45.72,69.85 47.625,69.85 49.53,69.85 45.72,71.12 47.625,71.12 49.53,71.12 76.2,74.549 27.5,80 34.496,80 65.405,80 72.5,80 80,80 5,82.5 7.5,82.5 84.573,86.253 30,90 33.163,90 36.326,89.987 84.573,91.46 27.5,92.456 84.573,96.54 27.5,97.5 56.388,101.346 59.235,101.346 84.7,101.62 31.067,101.933 56.388,103.378 59.235,103.378 33.226,104.092 5,105 7.5,105 56.388,105.156 59.235,105.156 84.7,106.7 18.288,110.109 23.368,110.109 84.7,111.78 59.235,112.474 62.537,112.474 5,112.5 7.5,112.5 56.388,112.522 28.575,113.538 31.075,113.538 73,114 59.235,114.506 62.537,114.506 56.388,114.554 59.235,116.284 62.537,116.284 56.388,116.332 84.724,116.945 5,120 7.5,120 40.94,121.412 43.44,121.412 70.2,123.5 85,125 5,127.5 7.5,127.5
  other v3: 57.61,35.512 57.61,38.56 65.103,38.56 22.278,123.579 24.183,123.579 26.088,123.579 22.278,124.849 24.183,124.849 26.088,124.849
  other v5: 30.432,49.99 27.892,51.895 32.972,51.895 28.4,96.98 34.496,97.996 31.194,98.25 72.596,131.778
3V3EN: R9.1 R10.2 R12.2 | length 1.7
  Bottom Layer w0.65: 49.075,106.434 49.119,106.478 R10.2@50.726,106.478
5VCC: C1.1 C6.2 C12.1 C15.1 C16.1 C17.1 D1.A pad.M1@78.832,15.275 R1.1 R2.2 R9.2 S1.1 S3.10 U2.5 | length 9.5
  Top Layer w0.381: 74.803,15.367 76.132,15.367 76.188,15.311 78.796,15.311 pad.M1@78.832,15.275
  Top Layer w0.4: v3(70.654,9.954) v3(70.654,9.954) R2.2@70.655,7.97
  Top Layer w0.5: U2.5@66.675,15.445 66.675,16.982
  Top Layer w0.65: 41.608,44.91 41.672,44.846
  Bottom Layer w0.381: v5(46.916,104.656) R9.2@46.916,106.478
  other v2: 38.56,53.34 40.592,53.34 42.624,53.34 38.56,54.737 40.592,54.737 42.624,54.737
  other v3: 69.324,9.997 76.2,15.311 68.816,17.744 70.467,17.744 72.118,17.744 83.13,36.089 71.573,38.502 75.383,38.502 83.13,38.502
  other v5: 44.467,18.733 44.467,22.797 44.467,24.575 59.69,24.765 61.976,24.765 64.135,24.765 68.58,24.765 70.866,24.765 73.025,24.765 39.042,89.035 40.312,89.035 39.042,90.813 40.312,90.813 39.042,92.591 40.312,92.591 48.77,104.656 50.726,104.656
"5VCC_FUEL G.": C2.1 R1.2 U1.4 | length 2.8
  Bottom Layer w0.4: 35.486,18.804 35.486,19.602 35.491,19.607 U1.4@35.577,19.607 37.477,19.607
BAT_GND: C2.2 C3.2 C4.2 J1.6 J2.2 pad.M1@28.7,13.4 R5.1 R6.1 R7.1 R8.1 RSNS1.2 U1.7 U3.5 | length 12.2
  Top Layer w0.381: pad.M1@28.7,13.4 v9(31.4,13.4)
  Bottom Layer w0.4: v1@28.12,22.36 28.12,21.09 28.303,20.907 U1.7@29.807,20.907 31.311,20.907 31.494,21.09 31.494,22.36
  Bottom Layer w0.5: 11.208,20.511 U3.5@14.652,20.511
  other v1: 27.94,7.62 43.18,7.62 7.62,12.7 10.16,12.7 12.7,12.7 22.86,12.7 27.94,12.7 38.1,12.7 43.18,12.7 7.62,15.24 10.16,15.24 26.73,22.19 27.813,22.19 26.73,24.095 27.813,24.095 7.62,25.4 10.16,25.4 26.73,26 27.813,26
  other v7: 10.5,4.7 34,4.7
CC1: J1.3 R5.2 | length 25.9
  Top Layer w0.65: v7(16.5,4.7) J1.3@16.5,8.2
  Signal Layer 1 w0.381: J1.3@16.5,8.2 24.147,15.847 24.147,24.8 v1(24.159,24.812)
  Bottom Layer w0.381: R5.2@23.737,22.416 23.737,24.49 24.059,24.812 v1(24.159,24.812)
CC2: J1.5 R6.2 | length 20.3
  Top Layer w0.65: v8(12.5,4.7) J1.5@12.5,8.2
  Signal Layer 1 w0.381: J1.5@12.5,8.2 12.5,8.3 13.7,9.5 19.797,15.597 v3(20.794,15.597)
  Bottom Layer w0.381: v3(20.794,15.597) 20.818,15.621 22.721,15.621 23.737,16.637 R6.2@23.737,18.606
CHG: R17.2 U3.3 U4.16 | length 165
  Top Layer w0.381: v3@18.955,18.606 20.78,20.431 v4(20.78,35.553) ; U4.16@65.948,128.659 70.159,128.659 v3(70.2,128.7) ; v3(67.131,77.47) 67.131,67.235 v3(67.183,67.183)
  Signal Layer 1 w0.381: v4(20.78,35.553) 20.78,39.322 41.656,60.198 64.008,60.198 67.183,63.373 v3(67.183,67.183) ; v3(67.131,77.47) 63.627,77.47 60.632,80.465 60.632,123.751 65.54,128.659 70.159,128.659 v3(70.2,128.7)
  Bottom Layer w0.381: U3.3@17.162,19.561 18.817,19.561 18.955,19.424 v3(18.955,18.748) v3@18.955,18.606 ; R17.2@66.754,128.774 70.026,128.774 70.1,128.7 v3(70.2,128.7)
DC: J3.9 U4.10 | length 18.1
  Top Layer w0.381: U4.10@65.948,113.419 70.281,113.419 v4(70.3,113.4)
  Signal Layer 1 w0.381: v4(70.3,113.4) 76.837,106.863 81.097,106.863 J3.9@81.28,106.68
EXTIN: U4.32 U5.5 | length 38.7
  Top Layer w0.381: U5.5@14.424,112.092 v3(24.59,112.093) ; v3(40.312,110.879) U4.32@52.504,110.879
  Bottom Layer w0.381: v3(24.59,112.093) 24.59,111.993 24.754,111.829 24.754,111.802 25.677,110.879 v3(40.312,110.879)
FB: R2.1 R4.2 U2.3 | length 2.7
  Top Layer w0.4: 67.625,9.822 U2.3@67.625,12.495
GND: C1.2 C5.1 C6.1 C7.2 C8.2 C9.2 C10.2 C11.2 C12.2 C13.2 C14.2 C15.2 C16.2 C17.2 C18.2 J3.14 J4.3 J5.3 J6.3 J7.3 LED1.2 LED2.2 pad.M1@78.843,12.157 R4.1 R12.1 RSNS1.1 S1.5 S2.2 S3.6 SW1.1 U1.2 U2.2 U4.3 U4.8 U4.13 U4.18 U4.23 U4.28 U4.33 U4.38 U5.8 | length 52.3
  Top Layer w0.381: 73.896,12.248 76.144,12.248 v3(76.2,12.192) pad.M1@78.808,12.192
  Top Layer w0.4: 64.625,10.553 66.197,10.553 66.675,11.031 U2.2@66.675,12.495 66.675,13.959
  Top Layer w0.5: U5.8@28.408,107.529 28.408,109.021 ; U5.8@28.558,107.419 30.311,107.419
  Top Layer w0.75: v4(40.82,113.419) 40.905,113.334 SW1.1@42.903,113.334 ; U4.33@48.948,108.339 52.705,108.339 ; U4.23@48.948,133.739 55.364,133.739 55.372,133.731 ; U4.28@52.504,121.039 56.38,121.039 v4(56.388,121.031) ; v4(62.537,121.039) U4.13@69.504,121.039 ; v4(62.537,133.731) 62.545,133.739 U4.18@65.948,133.739 ; 62.611,108.331 62.619,108.339 ; v3(63.172,95.639) U4.3@69.504,95.639
  Bottom Layer w0.4: 33.89,22.34 33.89,21.07 34.073,20.887 U1.2@35.577,20.887 ; U1.2@35.577,20.907 37.081,20.907 37.264,21.09 37.264,22.36
  other v1: 50.8,7.62 55.88,7.62 60.96,7.62 66.04,7.62 71.12,7.62 76.2,7.62 81.28,7.62 86.36,7.62 50.8,12.7 55.88,12.7 60.96,12.7 66.04,12.7 81.28,12.7 86.36,12.7 50.8,17.78 55.88,17.78 76.2,17.78 81.28,17.78 86.36,17.78 36.502,24.392 36.502,26.416 38.862,26.416 7.62,38.1 10.16,38.1 7.62,39.37 10.16,39.37 35.405,42.23 37.31,42.23 85.09,43.18 35.405,43.5 37.31,43.5 85.09,44.45 66.802,49.53 72.898,49.53 85.09,49.53 7.62,50.8 10.16,50.8 66.802,50.8 72.898,50.8 85.09,50.8 7.62,52.07 10.16,52.07 7.62,57.15 10.16,57.15 16.256,57.15 22.352,57.15 28.448,57.15 34.544,57.15 52.705,57.15 59.142,57.15 66.802,57.15 72.898,57.15 78.994,57.15 85.09,57.15 7.62,58.42 10.16,58.42 16.256,58.42 22.352,58.42 28.448,58.42 34.544,58.42 52.705,58.42 59.142,58.42 66.802,58.42 72.898,58.42 78.994,58.42 85.09,58.42 7.62,61.595 10.16,61.595 22.352,61.595 28.448,61.595 52.705,61.595 10.16,62.865 22.352,62.865 28.448,62.865 52.705,62.865 6,70.19 7.27,70.19 23.316,70.19 24.586,70.19 65.861,70.19 67.131,70.19 84.276,70.19 85.546,70.19 6,72.095 7.27,72.095 23.316,72.095 24.586,72.095 65.861,72.095 67.131,72.095 84.276,72.095 85.546,72.095 6,74 7.27,74 65.861,74 67.131,74 84.276,74 85.546,74 10.16,77.47 16.256,77.47 22.352,77.47 28.448,77.47 34.544,77.47 71.628,77.47 77.724,77.47 37.465,83.82 39.042,83.82 40.64,83.82 65.405,83.82 67.31,83.82 69.215,83.82 37.465,85.09 39.042,85.09 40.64,85.09 65.405,85.09 67.31,85.09 69.215,85.09 11.386,89.425 13.291,89.425 15.196,89.425 11.386,90.695 13.291,90.695 15.196,90.695 73.025,94.615 74.295,94.615 73.025,96.52 74.295,96.52 73.025,98.425 74.295,98.425 44.757,99.83 38.661,99.957 40.252,99.945 49.262,99.945 50.853,99.957 11.456,101.785 13.361,101.785 15.266,101.785 11.456,103.055 13.361,103.055 15.266,103.055 43.106,104.91 20.19,114.73 22.095,114.73 24,114.73 20.19,116 22.095,116 24,116
  other v3: 57.61,29.67 65.103,29.67 71.58,29.67 75.39,29.797 83.137,29.797 57.61,32.718 83.137,32.718 56.388,95.758 59.235,95.758 63.172,98.179 56.414,98.242 59.235,98.242 63.172,101.346 63.172,103.259 56.388,108.331 59.235,108.445 78.74,122.912 81.28,122.912
  other v4: 62.339,9.997 63.863,9.997 69.342,11.811 69.342,13.208 59.164,20.32 60.942,20.32 62.72,20.32 48.72,53.34 50.752,53.34 52.784,53.34 48.72,54.737 50.752,54.737 52.784,54.737 31.489,107.971 31.422,109.99 28.501,110.117 40.82,114.943 59.235,121.031 76.761,127.135 80.825,127.135 56.388,128.655 59.235,128.647 62.537,128.655 74.729,128.659 78.793,128.659 82.857,128.659 59.235,133.731
I2C/SCL: pad.M1@13.303,81.788 R15.1 S1.3 S2.3 S3.3 U1.6 U4.7 U5.11 | length 200.8
  Top Layer w0.65: pad.M1@13.303,81.788 v6(13.303,84.709) ; 20.788,84.094 U5.11@20.788,104.176 ; v6(22.558,80.216) 22.558,21.796 v3(25.606,18.748) ; U4.7@69.596,105.799 73.078,105.799 74.105,104.772 74.105,83.888 74.221,83.772
  Bottom Layer w0.381: v3(25.606,18.748) 27.115,20.257 U1.6@29.807,20.257
  Bottom Layer w0.65: v6@13.081,84.709 14.097,85.725 20.828,85.725 22.393,84.16 22.393,84.032 22.558,83.867 v6(22.558,83.645) v6(22.558,80.216) ; v6(17.904,44.704) S2.3@23.19,44.704 ; v6@31.194,83.772 R15.1@31.194,93.468 ; S1.3@45.672,43.894 45.672,78.242 ; 46.561,53.568 46.561,50.649 53.57,43.64 S3.3@61.23,43.64
  other v6: 31.194,83.645 45.926,83.645